# KiCad board Smart LED WS2812B Ring7.kicad_pcb (continued)
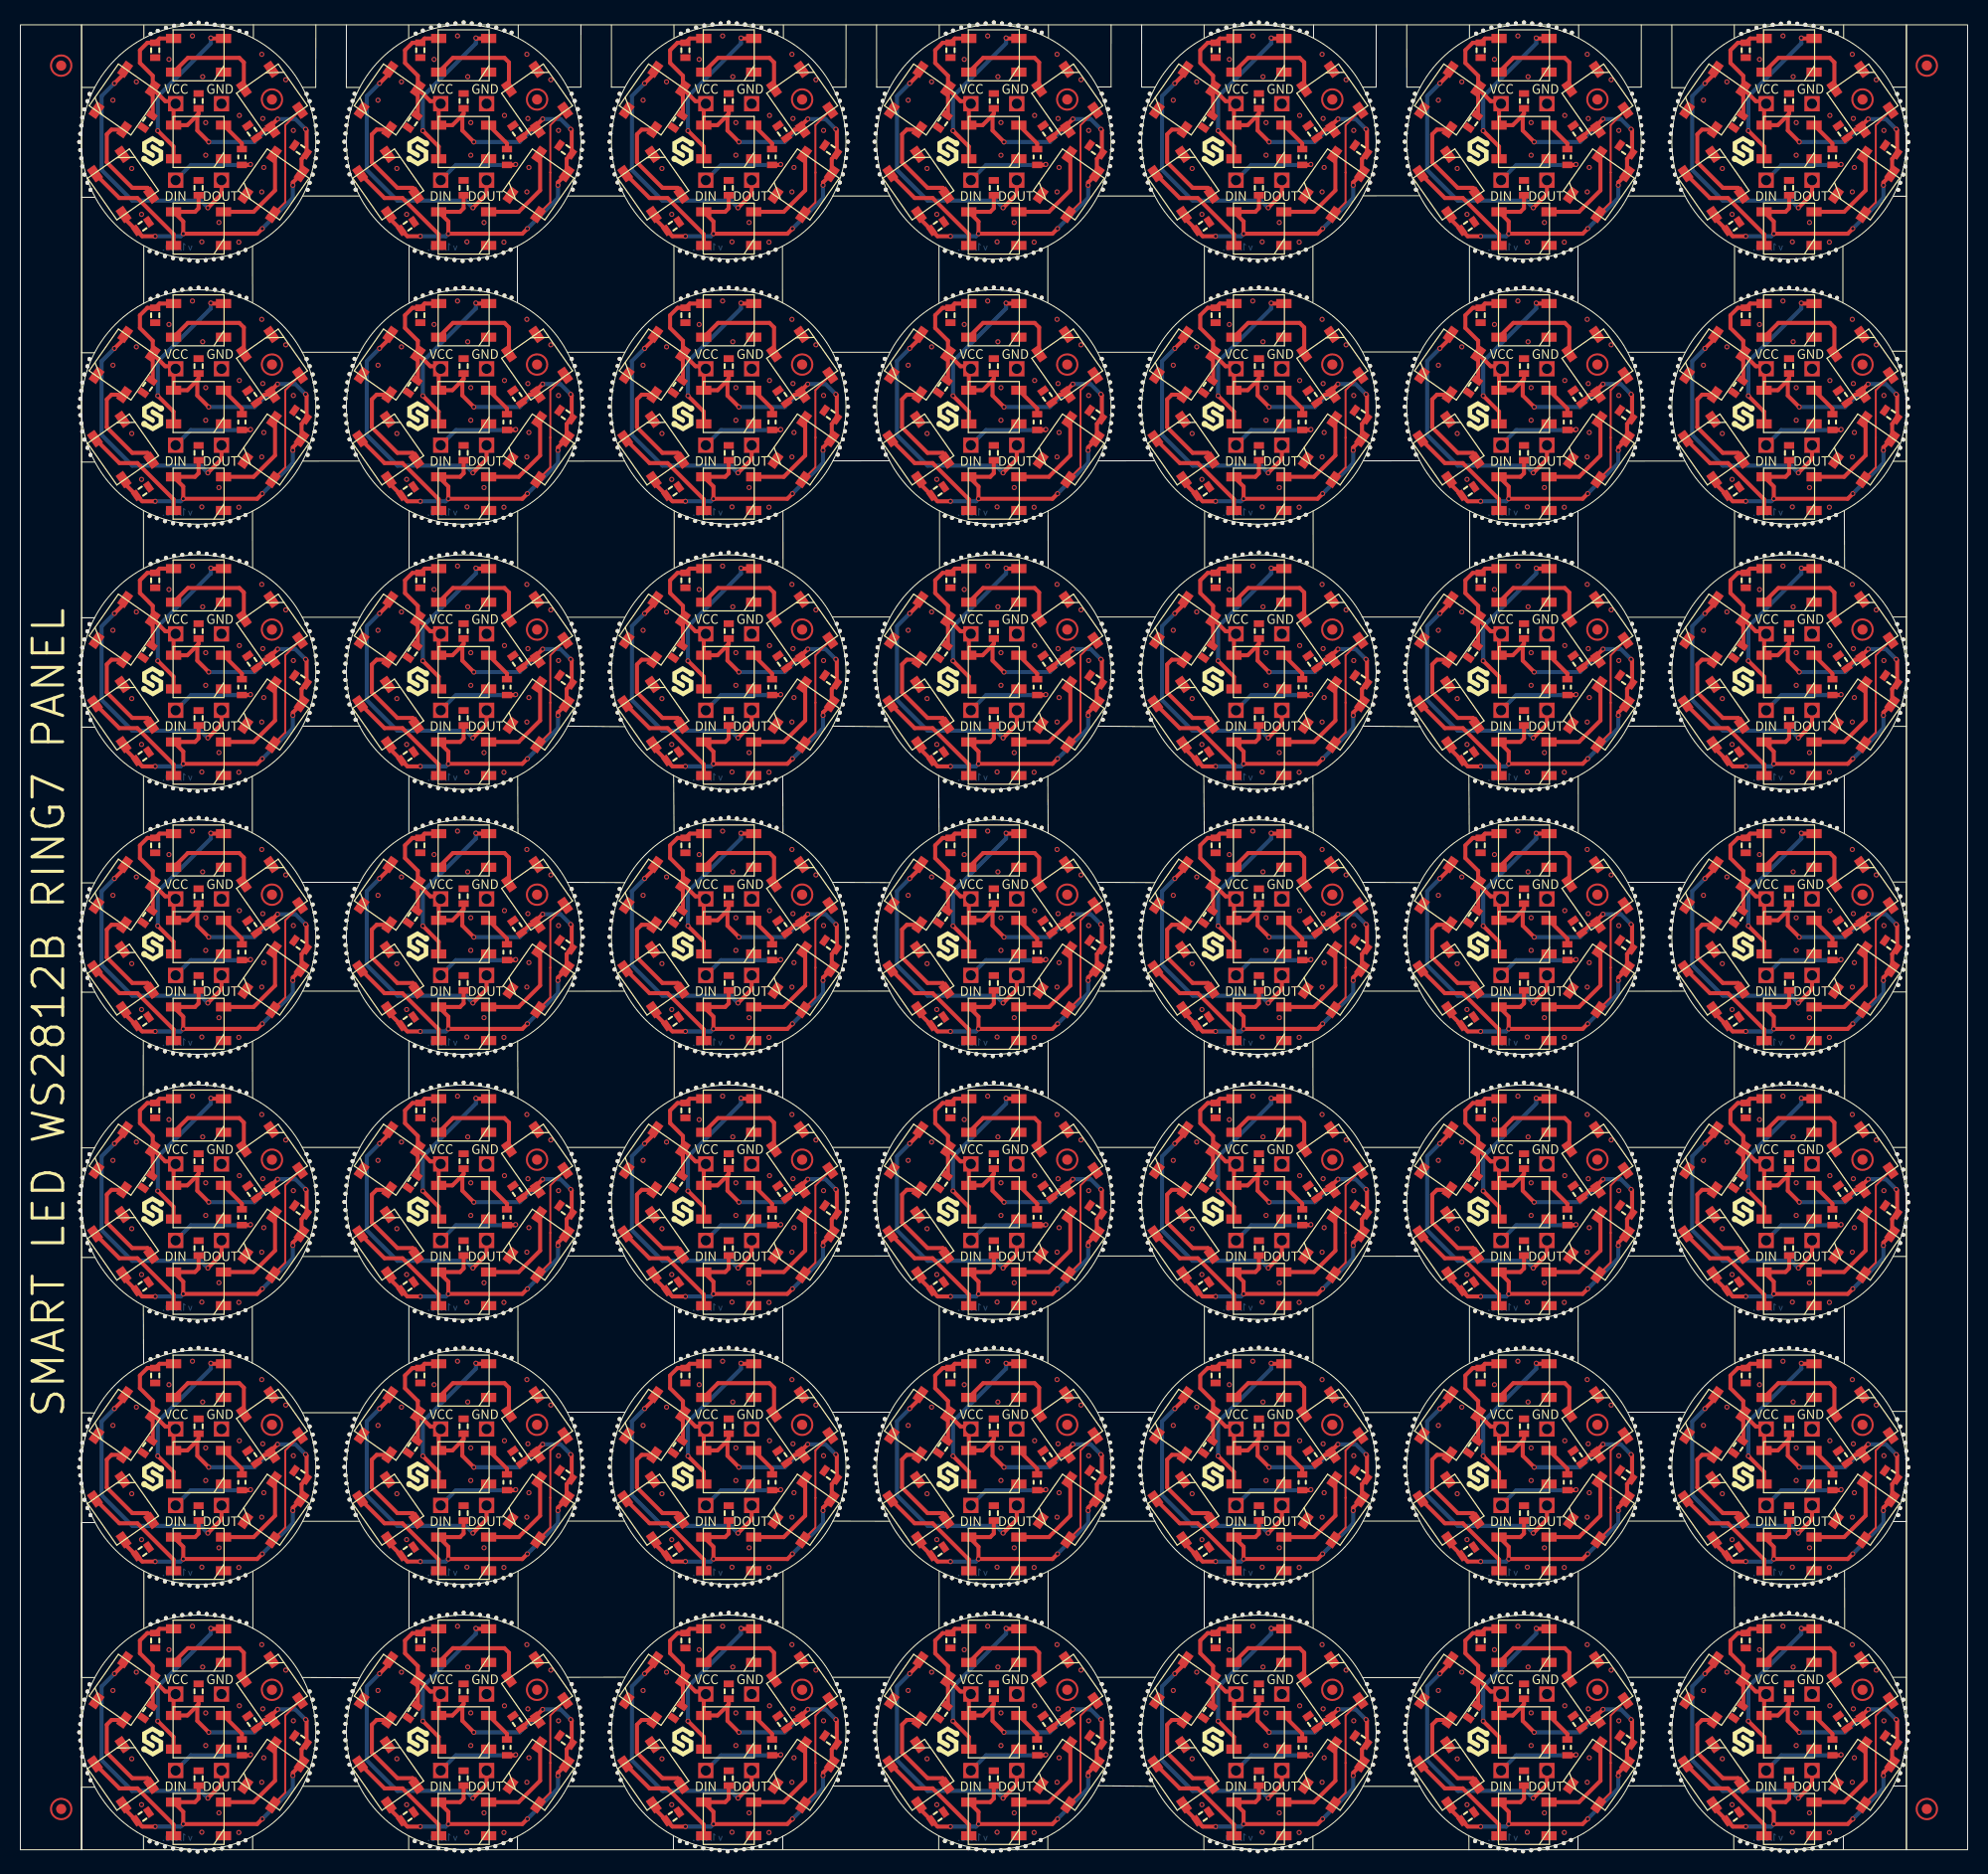
[diagram p0: board, top side]
## Routing (per net, layer and track width the routed paths; a pad name or vN(x,y) marks a point on that pad's centre or on a via; arc(x,y) is an arc through that point) (continued)
Net-(LED7-Pad2): length 1263.5
  Top w0.4: v1(113.22,69.28) 114.28,70.34 LED7#42.2 ; v1(148.38,109.07) 149.72,110.41 149.72,111.53 ; v1(61.22,69.28) 62.28,70.34 LED7#35.2 ; v1(87.22,173.28) 88.28,174.34 LED7#4.2 ; v1(148.38,5.07) 149.72,6.41 149.72,7.53 ; v1(139.22,43.28) 140.28,44.34 LED7#12.2 ; v1(70.38,109.07) 71.72,110.41 71.72,111.53 ; 175.72,111.53 175.72,110.41 v1(174.38,109.07) ; v1(35.22,121.28) 36.28,122.34 LED7#16.2 ; 19.72,33.53 19.72,32.41 v1(18.39,31.07) ; v1(113.22,173.28) 114.28,174.34 LED7.2 ; v1(174.38,5.07) 175.72,6.41 175.72,7.53 ; LED7#3.2 140.28,70.34 v1(139.22,69.28) ; LED7#43.2 114.28,44.34 v1(113.22,43.28) ; 71.72,85.53 71.72,84.41 v1(70.38,83.07) ; 175.72,33.53 175.72,32.41 v1(174.38,31.07) ; v1(174.38,83.07) 175.72,84.41 175.72,85.53 ; v1(139.22,17.28) 140.28,18.34 LED7#21.2 ; 97.72,85.53 97.72,84.41 v1(96.38,83.07) ; 19.72,137.53 19.72,136.41 v1(18.39,135.07) ; LED7#14.2 140.28,122.34 v1(139.22,121.28) ; LED7#23.2 114.28,148.34 v1(113.22,147.28) ; 123.72,7.53 123.72,6.41 v1(122.38,5.07) ; 149.72,85.53 149.72,84.41 v1(148.38,83.07) ; 45.72,7.53 45.72,6.41 v1(44.39,5.07) ; v1(96.38,161.07) 97.72,162.41 97.72,163.53 ; v1(35.22,43.28) 36.28,44.34 LED7#46.2 ; 19.72,163.53 19.72,162.41 v1(18.39,161.07) ; v1(165.22,69.28) 166.28,70.34 LED7#34.2 ; 71.72,163.53 71.72,162.41 v1(70.38,161.07) ; v1(70.38,5.07) 71.72,6.41 71.72,7.53 ; 19.72,59.53 19.72,58.41 v1(18.39,57.07) ; LED7#33.2 114.28,18.34 v1(113.22,17.28) ; LED7#27.2 88.28,96.34 v1(87.22,95.28) ; LED7#48.2 36.28,148.34 v1(35.22,147.28) ; LED7#13.2 62.28,18.34 v1(61.22,17.28) ; LED7#25.2 10.28,96.34 v1(9.22,95.28) ; v1(148.38,135.07) 149.72,136.41 149.72,137.53 ; 45.72,137.53 45.72,136.41 v1(44.39,135.07) ; 175.72,163.53 175.72,162.41 v1(174.38,161.07) ; 97.72,7.53 97.72,6.41 v1(96.38,5.07) ; v1(96.38,31.07) 97.72,32.41 97.72,33.53 ; LED7#6.2 10.28,122.34 v1(9.22,121.28) ; LED7#8.2 88.28,148.34 v1(87.22,147.28) ; LED7#20.2 114.28,96.34 v1(113.22,95.28) ; LED7#5.2 88.28,18.34 v1(87.22,17.28) ; LED7#17.2 10.28,148.34 v1(9.22,147.28) ; LED7#9.2 88.28,70.34 v1(87.22,69.28) ; 71.72,59.53 71.72,58.41 v1(70.38,57.07) ; v1(35.22,69.28) 36.28,70.34 LED7#41.2 ; 123.72,59.53 123.72,58.41 v1(122.38,57.07) ; v1(96.38,57.07) 97.72,58.41 97.72,59.53 ; v1(61.22,43.28) 62.28,44.34 LED7#40.2 ; LED7#18.2 166.28,18.34 v1(165.22,17.28) ; LED7#2.2 166.28,44.34 v1(165.22,43.28) ; v1(61.22,173.28) 62.28,174.34 LED7#32.2 ; v1(18.39,83.07) 19.72,84.41 19.72,85.53 ; 97.72,111.53 97.72,110.41 v1(96.38,109.07) ; v1(165.22,147.28) 166.28,148.34 LED7#7.2 ; LED7#36.2 10.28,44.34 v1(9.22,43.28) ; LED7#26.2 62.28,96.34 v1(61.22,95.28) ; LED7#45.2 36.28,96.34 v1(35.22,95.28) ; v1(139.22,173.28) 140.28,174.34 LED7#15.2 ; v1(9.22,173.28) 10.28,174.34 LED7#19.2 ; 123.72,163.53 123.72,162.41 v1(122.38,161.07) ; v1(87.22,121.28) 88.28,122.34 LED7#29.2 ; v1(174.38,57.07) 175.72,58.41 175.72,59.53 ; v1(122.38,31.07) 123.72,32.41 123.72,33.53 ; 19.72,7.53 19.72,6.41 v1(18.39,5.07) ; v1(44.39,83.07) 45.72,84.41 45.72,85.53 ; v1(148.38,57.07) 149.72,58.41 149.72,59.53 ; LED7#10.2 10.28,18.34 v1(9.22,17.28) ; LED7#49.2 166.28,174.34 v1(165.22,173.28) ; LED7#37.2 114.28,122.34 v1(113.22,121.28) ; 149.72,33.53 149.72,32.41 v1(148.38,31.07) ; 45.72,59.53 45.72,58.41 v1(44.39,57.07) ; v1(70.38,135.07) 71.72,136.41 71.72,137.53 ; 123.72,85.53 123.72,84.41 v1(122.38,83.07) ; 45.72,111.53 45.72,110.41 v1(44.39,109.07) ; LED7#47.2 36.28,174.34 v1(35.22,173.28) ; v1(122.38,109.07) 123.72,110.41 123.72,111.53 ; v1(139.22,95.28) 140.28,96.34 LED7#28.2 ; 175.72,137.53 175.72,136.41 v1(174.38,135.07) ; v1(148.38,161.07) 149.72,162.41 149.72,163.53 ; LED7#22.2 36.28,18.34 v1(35.22,17.28) ; 97.72,137.53 97.72,136.41 v1(96.38,135.07) ; v1(87.22,43.28) 88.28,44.34 LED7#44.2 ; v1(165.22,95.28) 166.28,96.34 LED7#24.2 ; v1(122.38,135.07) 123.72,136.41 123.72,137.53 ; LED7#30.2 140.28,148.34 v1(139.22,147.28) ; 45.72,163.53 45.72,162.41 v1(44.39,161.07) ; v1(18.39,109.07) 19.72,110.41 19.72,111.53 ; LED7#31.2 62.28,122.34 v1(61.22,121.28) ; LED7#39.2 62.28,148.34 v1(61.22,147.28) ; v1(9.22,69.28) 10.28,70.34 LED7#38.2 ; LED7#11.2 166.28,122.34 v1(165.22,121.28) ; 45.72,33.53 45.72,32.41 v1(44.39,31.07) ; v1(70.38,31.07) 71.72,32.41 71.72,33.53
  Bottom w0.4: v1(113.22,173.28) 111.97,172.03 111.97,164.78 114.97,161.78 121.68,161.78 v1(122.38,161.07) ; v1(9.22,17.28) 7.97,16.03 7.97,8.78 10.97,5.78 17.67,5.78 v1(18.39,5.07) ; v1(87.22,69.28) 85.97,68.03 85.97,60.78 88.97,57.78 95.68,57.78 v1(96.38,57.07) ; v1(113.22,147.28) 111.97,146.03 111.97,138.78 114.97,135.78 121.68,135.78 v1(122.38,135.07) ; v1(113.22,69.28) 111.97,68.03 111.97,60.78 114.97,57.78 121.68,57.78 v1(122.38,57.07) ; v1(165.22,173.28) 163.97,172.03 163.97,164.78 166.97,161.78 173.68,161.78 v1(174.38,161.07) ; v1(44.39,161.07) 43.67,161.78 36.97,161.78 33.97,164.78 33.97,172.03 v1(35.22,173.28) ; v1(165.22,147.28) 163.97,146.03 163.97,138.78 166.97,135.78 173.68,135.78 v1(174.38,135.07) ; v1(148.38,83.07) 147.68,83.78 140.97,83.78 137.97,86.78 137.97,94.03 v1(139.22,95.28) ; v1(70.38,161.07) 69.68,161.78 62.97,161.78 59.97,164.78 59.97,172.03 v1(61.22,173.28) ; v1(96.38,5.07) 95.68,5.78 88.97,5.78 85.97,8.78 85.97,16.03 v1(87.22,17.28) ; v1(9.22,95.28) 7.97,94.03 7.97,86.78 10.97,83.78 17.67,83.78 v1(18.39,83.07) ; v1(113.22,17.28) 111.97,16.03 111.97,8.78 114.97,5.78 121.68,5.78 v1(122.38,5.07) ; v1(139.22,17.28) 137.97,16.03 137.97,8.78 140.97,5.78 147.68,5.78 v1(148.38,5.07) ; v1(165.22,17.28) 163.97,16.03 163.97,8.78 166.97,5.78 173.68,5.78 v1(174.38,5.07) ; v1(174.38,109.07) 173.68,109.78 166.97,109.78 163.97,112.78 163.97,120.03 v1(165.22,121.28) ; v1(87.22,95.28) 85.97,94.03 85.97,86.78 88.97,83.78 95.68,83.78 v1(96.38,83.07) ; v1(122.38,31.07) 121.68,31.78 114.97,31.78 111.97,34.78 111.97,42.03 v1(113.22,43.28) ; v1(61.22,69.28) 59.97,68.03 59.97,60.78 62.97,57.78 69.68,57.78 v1(70.38,57.07) ; v1(113.22,95.28) 111.97,94.03 111.97,86.78 114.97,83.78 121.68,83.78 v1(122.38,83.07) ; v1(70.38,135.07) 69.68,135.78 62.97,135.78 59.97,138.78 59.97,146.03 v1(61.22,147.28) ; v1(174.38,31.07) 173.68,31.78 166.97,31.78 163.97,34.78 163.97,42.03 v1(165.22,43.28) ; v1(18.39,31.07) 17.67,31.78 10.97,31.78 7.97,34.78 7.97,42.03 v1(9.22,43.28) ; v1(148.38,31.07) 147.68,31.78 140.97,31.78 137.97,34.78 137.97,42.03 v1(139.22,43.28) ; v1(44.39,83.07) 43.67,83.78 36.97,83.78 33.97,86.78 33.97,94.03 v1(35.22,95.28) ; v1(70.38,31.07) 69.68,31.78 62.97,31.78 59.97,34.78 59.97,42.03 v1(61.22,43.28) ; v1(44.39,5.07) 43.67,5.78 36.97,5.78 33.97,8.78 33.97,16.03 v1(35.22,17.28) ; v1(165.22,95.28) 163.97,94.03 163.97,86.78 166.97,83.78 173.68,83.78 v1(174.38,83.07) ; v1(139.22,173.28) 137.97,172.03 137.97,164.78 140.97,161.78 147.68,161.78 v1(148.38,161.07) ; v1(9.22,173.28) 7.97,172.03 7.97,164.78 10.97,161.78 17.67,161.78 v1(18.39,161.07) ; v1(61.22,95.28) 59.97,94.03 59.97,86.78 62.97,83.78 69.68,83.78 v1(70.38,83.07) ; v1(87.22,173.28) 85.97,172.03 85.97,164.78 88.97,161.78 95.68,161.78 v1(96.38,161.07) ; v1(87.22,43.28) 85.97,42.03 85.97,34.78 88.97,31.78 95.68,31.78 v1(96.38,31.07) ; v1(148.38,109.07) 147.68,109.78 140.97,109.78 137.97,112.78 137.97,120.03 v1(139.22,121.28) ; v1(148.38,135.07) 147.68,135.78 140.97,135.78 137.97,138.78 137.97,146.03 v1(139.22,147.28) ; v1(70.38,5.07) 69.68,5.78 62.97,5.78 59.97,8.78 59.97,16.03 v1(61.22,17.28) ; v1(35.22,69.28) 33.97,68.03 33.97,60.78 36.97,57.78 43.67,57.78 v1(44.39,57.07) ; v1(165.22,69.28) 163.97,68.03 163.97,60.78 166.97,57.78 173.68,57.78 v1(174.38,57.07) ; v1(18.39,109.07) 17.67,109.78 10.97,109.78 7.97,112.78 7.97,120.03 v1(9.22,121.28) ; v1(18.39,135.07) 17.67,135.78 10.97,135.78 7.97,138.78 7.97,146.03 v1(9.22,147.28) ; v1(122.38,109.07) 121.68,109.78 114.97,109.78 111.97,112.78 111.97,120.03 v1(113.22,121.28) ; v1(35.22,43.28) 33.97,42.03 33.97,34.78 36.97,31.78 43.67,31.78 v1(44.39,31.07) ; v1(44.39,135.07) 43.67,135.78 36.97,135.78 33.97,138.78 33.97,146.03 v1(35.22,147.28) ; v1(35.22,121.28) 33.97,120.03 33.97,112.78 36.97,109.78 43.67,109.78 v1(44.39,109.07) ; v1(87.22,147.28) 85.97,146.03 85.97,138.78 88.97,135.78 95.68,135.78 v1(96.38,135.07) ; v1(61.22,121.28) 59.97,120.03 59.97,112.78 62.97,109.78 69.68,109.78 v1(70.38,109.07) ; v1(139.22,69.28) 137.97,68.03 137.97,60.78 140.97,57.78 147.68,57.78 v1(148.38,57.07) ; v1(87.22,121.28) 85.97,120.03 85.97,112.78 88.97,109.78 95.68,109.78 v1(96.38,109.07) ; v1(18.39,57.07) 17.67,57.78 10.97,57.78 7.97,60.78 7.97,68.03 v1(9.22,69.28)
  vias: v2(19.72,163.78) v2(19.72,137.78) v2(19.72,111.78) v2(19.72,85.78) v2(19.72,59.78) v2(19.72,33.78) v2(19.72,7.78) v2(45.72,163.78) v2(45.72,137.78) v2(45.72,111.78) v2(45.72,85.78) v2(45.72,59.78) v2(45.72,33.78) v2(45.72,7.78) v2(71.72,163.78) v2(71.72,137.78) v2(71.72,111.78) v2(71.72,85.78) v2(71.72,59.78) v2(71.72,33.78) v2(71.72,7.78) v2(97.72,163.78) v2(97.72,137.78) v2(97.72,111.78) v2(97.72,85.78) v2(97.72,59.78) v2(97.72,33.78) v2(97.72,7.78) v2(123.72,163.78) v2(123.72,137.78) v2(123.72,111.78) v2(123.72,85.78) v2(123.72,59.78) v2(123.72,33.78) v2(123.72,7.78) v2(149.72,163.78) v2(149.72,137.78) v2(149.72,111.78) v2(149.72,85.78) v2(149.72,59.78) v2(149.72,33.78) v2(149.72,7.78) v2(175.72,163.78) v2(175.72,137.78) v2(175.72,111.78) v2(175.72,85.78) v2(175.72,59.78) v2(175.72,33.78) v2(175.72,7.78)
Net-(PAD2-Pad1): length 434.3
  Top w0.4: R1#48.2 22.53,35.28 v1(22.58,35.33) ; R1#16.2 152.53,9.28 v1(152.57,9.33) ; v1(126.57,165.33) 126.53,165.28 125.72,165.28 ; v1(48.58,9.33) 48.53,9.28 R1#6.2 ; R1#10.2 126.53,9.28 v1(126.57,9.33) ; R1#19.2 74.53,87.28 v1(74.57,87.33) ; v1(48.58,165.33) 48.53,165.28 47.72,165.28 ; v1(48.58,87.33) 48.53,87.28 R1#33.2 ; R1#30.2 152.53,61.28 v1(152.57,61.33) ; v1(100.57,113.33) 100.53,113.28 R1#23.2 ; v1(100.57,35.33) 100.53,35.28 R1#47.2 ; 177.72,165.28 178.53,165.28 v1(178.57,165.33) ; v1(74.57,165.33) 74.53,165.28 73.72,165.28 ; v1(22.58,165.33) 22.53,165.28 21.72,165.28 ; R1#46.2 178.53,35.28 v1(178.57,35.33) ; v1(22.58,139.33) 22.53,139.28 21.72,139.28 ; R1#20.2 126.53,61.28 v1(126.57,61.33) ; v1(178.57,61.33) 178.53,61.28 R1#39.2 ; 177.72,139.28 178.53,139.28 v1(178.57,139.33) ; v1(100.57,87.33) 100.53,87.28 R1#21.2 ; v1(152.57,113.33) 152.53,113.28 R1#2.2 ; R1#5.2 22.53,61.28 v1(22.58,61.33) ; v1(178.57,9.33) 178.53,9.28 R1#26.2 ; R1#24.2 22.53,87.28 v1(22.58,87.33) ; v1(126.57,35.33) 126.53,35.28 R1#49.2 ; v1(152.57,139.33) 152.53,139.28 151.72,139.28 ; R1#3.2 152.53,35.28 v1(152.57,35.33) ; R1#28.2 100.53,9.28 v1(100.57,9.33) ; v1(48.58,139.33) 48.53,139.28 47.72,139.28 ; v1(48.58,35.33) 48.53,35.28 R1#17.2 ; R1#32.2 126.53,87.28 v1(126.57,87.33) ; R1.2 178.53,87.28 v1(178.57,87.33) ; v1(100.57,165.33) 100.53,165.28 99.72,165.28 ; v1(48.58,113.33) 48.53,113.28 R1#44.2 ; R1#22.2 22.53,9.28 v1(22.58,9.33) ; 73.72,139.28 74.53,139.28 v1(74.57,139.33) ; R1#43.2 74.53,113.28 v1(74.57,113.33) ; v1(74.57,61.33) 74.53,61.28 R1#38.2 ; R1#18.2 100.53,61.28 v1(100.57,61.33) ; v1(152.57,165.33) 152.53,165.28 151.72,165.28 ; v1(74.57,9.33) 74.53,9.28 R1#25.2 ; R1#15.2 48.53,61.28 v1(48.58,61.33) ; v1(178.57,113.33) 178.53,113.28 R1#14.2 ; v1(126.57,139.33) 126.53,139.28 125.72,139.28 ; R1#9.2 126.53,113.28 v1(126.57,113.33) ; R1#36.2 22.53,113.28 v1(22.58,113.33) ; R1#34.2 152.53,87.28 v1(152.57,87.33) ; 99.72,139.28 100.53,139.28 v1(100.57,139.33) ; v1(74.57,35.33) 74.53,35.28 R1#40.2
  Bottom w0.4: v1(22.58,113.33) 22.52,113.28 16.72,113.28 v2(15.22,111.78) ; v1(48.58,61.33) 48.52,61.28 42.72,61.28 v2(41.22,59.78) ; v2(41.22,33.78) 42.72,35.28 48.52,35.28 v1(48.58,35.33) ; v2(145.22,111.78) 146.72,113.28 152.52,113.28 v1(152.57,113.33) ; v2(93.22,163.78) 94.72,165.28 100.52,165.28 v1(100.57,165.33) ; v2(119.22,59.78) 120.72,61.28 126.52,61.28 v1(126.57,61.33) ; v1(48.58,165.33) 48.52,165.28 42.72,165.28 v2(41.22,163.78) ; v2(41.22,85.78) 42.72,87.28 48.52,87.28 v1(48.58,87.33) ; v1(22.58,139.33) 22.52,139.28 16.72,139.28 v2(15.22,137.78) ; v2(145.22,7.78) 146.72,9.28 152.52,9.28 v1(152.57,9.33) ; v1(22.58,9.33) 22.52,9.28 16.72,9.28 v2(15.22,7.78) ; v2(67.22,59.78) 68.72,61.28 74.52,61.28 v1(74.57,61.33) ; v1(126.57,35.33) 126.52,35.28 120.72,35.28 v2(119.22,33.78) ; v1(178.57,35.33) 178.52,35.28 172.72,35.28 v2(171.22,33.78) ; v2(15.22,163.78) 16.72,165.28 22.52,165.28 v1(22.58,165.33) ; v2(119.22,137.78) 120.72,139.28 126.52,139.28 v1(126.57,139.33) ; v1(48.58,113.33) 48.52,113.28 42.72,113.28 v2(41.22,111.78) ; v2(67.22,85.78) 68.72,87.28 74.52,87.28 v1(74.57,87.33) ; v2(15.22,33.78) 16.72,35.28 22.52,35.28 v1(22.58,35.33) ; v1(178.57,139.33) 178.52,139.28 172.72,139.28 v2(171.22,137.78) ; v1(152.57,61.33) 152.52,61.28 146.72,61.28 v2(145.22,59.78) ; v2(93.22,33.78) 94.72,35.28 100.52,35.28 v1(100.57,35.33) ; v2(145.22,85.78) 146.72,87.28 152.52,87.28 v1(152.57,87.33) ; v2(119.22,7.78) 120.72,9.28 126.52,9.28 v1(126.57,9.33) ; v2(145.22,33.78) 146.72,35.28 152.52,35.28 v1(152.57,35.33) ; v2(171.22,59.78) 172.72,61.28 178.52,61.28 v1(178.57,61.33) ; v2(41.22,7.78) 42.72,9.28 48.52,9.28 v1(48.58,9.33) ; v2(145.22,163.78) 146.72,165.28 152.52,165.28 v1(152.57,165.33) ; v1(178.57,9.33) 178.52,9.28 172.72,9.28 v2(171.22,7.78) ; v1(22.58,87.33) 22.52,87.28 16.72,87.28 v2(15.22,85.78) ; v1(178.57,87.33) 178.52,87.28 172.72,87.28 v2(171.22,85.78) ; v2(15.22,59.78) 16.72,61.28 22.52,61.28 v1(22.58,61.33) ; v1(100.57,61.33) 100.52,61.28 94.72,61.28 v2(93.22,59.78) ; v2(145.22,137.78) 146.72,139.28 152.52,139.28 v1(152.57,139.33) ; v2(171.22,111.78) 172.72,113.28 178.52,113.28 v1(178.57,113.33) ; v2(93.22,7.78) 94.72,9.28 100.52,9.28 v1(100.57,9.33) ; v2(93.22,111.78) 94.72,113.28 100.52,113.28 v1(100.57,113.33) ; v1(74.57,9.33) 74.52,9.28 68.72,9.28 v2(67.22,7.78) ; v1(126.57,165.33) 126.52,165.28 120.72,165.28 v2(119.22,163.78) ; v1(126.57,87.33) 126.52,87.28 120.72,87.28 v2(119.22,85.78) ; v1(178.57,165.33) 178.52,165.28 172.72,165.28 v2(171.22,163.78) ; v1(74.57,139.33) 74.52,139.28 68.72,139.28 v2(67.22,137.78) ; v1(74.57,35.33) 74.52,35.28 68.72,35.28 v2(67.22,33.78) ; v1(100.57,87.33) 100.52,87.28 94.72,87.28 v2(93.22,85.78) ; v2(41.22,137.78) 42.72,139.28 48.52,139.28 v1(48.58,139.33) ; v2(67.22,111.78) 68.72,113.28 74.52,113.28 v1(74.57,113.33) ; v1(74.57,165.33) 74.52,165.28 68.72,165.28 v2(67.22,163.78) ; v2(93.22,137.78) 94.72,139.28 100.52,139.28 v1(100.57,139.33) ; v1(126.57,113.33) 126.52,113.28 120.72,113.28 v2(119.22,111.78)

## Copper pours and planes (outline as drawn; the poured copper is in the pictures)
GND on Top: 106.97,130.03 83.97,130.03 83.97,153.03 106.97,153.03
GND on Top: 132.97,26.03 109.97,26.03 109.97,49.03 132.97,49.03
GND on Top: 80.97,0.03 57.97,0.03 57.97,23.03 80.97,23.03
GND on Top: 132.97,78.03 109.97,78.03 109.97,101.03 132.97,101.03
GND on Top: 80.97,52.03 57.97,52.03 57.97,75.03 80.97,75.03
GND on Top: 132.97,104.03 109.97,104.03 109.97,127.03 132.97,127.03
GND on Top: 28.97,0.03 5.97,0.03 5.97,23.03 28.97,23.03
GND on Top: 132.97,0.03 109.97,0.03 109.97,23.03 132.97,23.03
GND on Top: 54.97,130.03 31.97,130.03 31.97,153.03 54.97,153.03
GND on Top: 80.97,104.03 57.97,104.03 57.97,127.03 80.97,127.03
GND on Top: 54.97,26.03 31.97,26.03 31.97,49.03 54.97,49.03
GND on Top: 184.97,156.03 161.97,156.03 161.97,179.03 184.97,179.03
GND on Top: 54.97,156.03 31.97,156.03 31.97,179.03 54.97,179.03
GND on Top: 158.97,26.03 135.97,26.03 135.97,49.03 158.97,49.03
GND on Top: 54.97,78.03 31.97,78.03 31.97,101.03 54.97,101.03
GND on Top: 28.97,130.03 5.97,130.03 5.97,153.03 28.97,153.03
GND on Top: 132.97,130.03 109.97,130.03 109.97,153.03 132.97,153.03
GND on Top: 106.97,78.03 83.97,78.03 83.97,101.03 106.97,101.03
GND on Top: 54.97,52.03 31.97,52.03 31.97,75.03 54.97,75.03
GND on Top: 184.97,78.03 161.97,78.03 161.97,101.03 184.97,101.03
GND on Top: 28.97,78.03 5.97,78.03 5.97,101.03 28.97,101.03
GND on Top: 184.97,0.03 161.97,0.03 161.97,23.03 184.97,23.03
GND on Top: 184.97,26.03 161.97,26.03 161.97,49.03 184.97,49.03
GND on Top: 28.97,26.03 5.97,26.03 5.97,49.03 28.97,49.03
GND on Top: 184.97,104.03 161.97,104.03 161.97,127.03 184.97,127.03
GND on Top: 80.97,26.03 57.97,26.03 57.97,49.03 80.97,49.03
GND on Top: 132.97,156.03 109.97,156.03 109.97,179.03 132.97,179.03
GND on Top: 106.97,0.03 83.97,0.03 83.97,23.03 106.97,23.03
GND on Top: 158.97,0.03 135.97,0.03 135.97,23.03 158.97,23.03
GND on Top: 80.97,78.03 57.97,78.03 57.97,101.03 80.97,101.03
GND on Top: 184.97,130.03 161.97,130.03 161.97,153.03 184.97,153.03
GND on Top: 80.97,156.03 57.97,156.03 57.97,179.03 80.97,179.03
GND on Top: 28.97,156.03 5.97,156.03 5.97,179.03 28.97,179.03
GND on Top: 106.97,156.03 83.97,156.03 83.97,179.03 106.97,179.03
GND on Top: 106.97,26.03 83.97,26.03 83.97,49.03 106.97,49.03
GND on Top: 184.97,52.03 161.97,52.03 161.97,75.03 184.97,75.03
GND on Top: 106.97,104.03 83.97,104.03 83.97,127.03 106.97,127.03
GND on Top: 158.97,78.03 135.97,78.03 135.97,101.03 158.97,101.03
GND on Top: 158.97,52.03 135.97,52.03 135.97,75.03 158.97,75.03
GND on Top: 54.97,0.03 31.97,0.03 31.97,23.03 54.97,23.03
GND on Top: 158.97,130.03 135.97,130.03 135.97,153.03 158.97,153.03
GND on Top: 158.97,104.03 135.97,104.03 135.97,127.03 158.97,127.03
GND on Top: 106.97,52.03 83.97,52.03 83.97,75.03 106.97,75.03
GND on Top: 80.97,130.03 57.97,130.03 57.97,153.03 80.97,153.03
GND on Top: 132.97,52.03 109.97,52.03 109.97,75.03 132.97,75.03
GND on Top: 28.97,52.03 5.97,52.03 5.97,75.03 28.97,75.03
GND on Top: 54.97,104.03 31.97,104.03 31.97,127.03 54.97,127.03
GND on Top: 158.97,156.03 135.97,156.03 135.97,179.03 158.97,179.03
GND on Top: 28.97,104.03 5.97,104.03 5.97,127.03 28.97,127.03
GND on Bottom: 184.97,23.03 184.97,0.03 161.97,0.03 161.97,23.03
GND on Bottom: 132.97,23.03 132.97,0.03 109.97,0.03 109.97,23.03
GND on Bottom: 158.97,101.03 158.97,78.03 135.97,78.03 135.97,101.03
GND on Bottom: 28.97,179.03 28.97,156.03 5.97,156.03 5.97,179.03
GND on Bottom: 80.97,23.03 80.97,0.03 57.97,0.03 57.97,23.03
GND on Bottom: 132.97,75.03 132.97,52.03 109.97,52.03 109.97,75.03
GND on Bottom: 184.97,179.03 184.97,156.03 161.97,156.03 161.97,179.03
GND on Bottom: 28.97,23.03 28.97,0.03 5.97,0.03 5.97,23.03
GND on Bottom: 158.97,179.03 158.97,156.03 135.97,156.03 135.97,179.03
GND on Bottom: 106.97,179.03 106.97,156.03 83.97,156.03 83.97,179.03
GND on Bottom: 28.97,49.03 28.97,26.03 5.97,26.03 5.97,49.03
GND on Bottom: 80.97,127.03 80.97,104.03 57.97,104.03 57.97,127.03
GND on Bottom: 132.97,179.03 132.97,156.03 109.97,156.03 109.97,179.03
GND on Bottom: 132.97,49.03 132.97,26.03 109.97,26.03 109.97,49.03
GND on Bottom: 28.97,101.03 28.97,78.03 5.97,78.03 5.97,101.03
GND on Bottom: 158.97,49.03 158.97,26.03 135.97,26.03 135.97,49.03
GND on Bottom: 28.97,75.03 28.97,52.03 5.97,52.03 5.97,75.03
GND on Bottom: 80.97,75.03 80.97,52.03 57.97,52.03 57.97,75.03
GND on Bottom: 28.97,127.03 28.97,104.03 5.97,104.03 5.97,127.03
GND on Bottom: 132.97,153.03 132.97,130.03 109.97,130.03 109.97,153.03
GND on Bottom: 184.97,153.03 184.97,130.03 161.97,130.03 161.97,153.03
GND on Bottom: 54.97,153.03 54.97,130.03 31.97,130.03 31.97,153.03
GND on Bottom: 132.97,101.03 132.97,78.03 109.97,78.03 109.97,101.03
GND on Bottom: 28.97,153.03 28.97,130.03 5.97,130.03 5.97,153.03
GND on Bottom: 106.97,101.03 106.97,78.03 83.97,78.03 83.97,101.03
GND on Bottom: 106.97,49.03 106.97,26.03 83.97,26.03 83.97,49.03
GND on Bottom: 54.97,49.03 54.97,26.03 31.97,26.03 31.97,49.03
GND on Bottom: 80.97,153.03 80.97,130.03 57.97,130.03 57.97,153.03
GND on Bottom: 184.97,75.03 184.97,52.03 161.97,52.03 161.97,75.03
GND on Bottom: 184.97,101.03 184.97,78.03 161.97,78.03 161.97,101.03
GND on Bottom: 106.97,127.03 106.97,104.03 83.97,104.03 83.97,127.03
GND on Bottom: 54.97,179.03 54.97,156.03 31.97,156.03 31.97,179.03
GND on Bottom: 158.97,75.03 158.97,52.03 135.97,52.03 135.97,75.03
GND on Bottom: 80.97,49.03 80.97,26.03 57.97,26.03 57.97,49.03
GND on Bottom: 158.97,23.03 158.97,0.03 135.97,0.03 135.97,23.03
GND on Bottom: 184.97,127.03 184.97,104.03 161.97,104.03 161.97,127.03
GND on Bottom: 54.97,101.03 54.97,78.03 31.97,78.03 31.97,101.03
GND on Bottom: 106.97,23.03 106.97,0.03 83.97,0.03 83.97,23.03
GND on Bottom: 54.97,23.03 54.97,0.03 31.97,0.03 31.97,23.03
GND on Bottom: 132.97,127.03 132.97,104.03 109.97,104.03 109.97,127.03
GND on Bottom: 106.97,153.03 106.97,130.03 83.97,130.03 83.97,153.03
GND on Bottom: 54.97,127.03 54.97,104.03 31.97,104.03 31.97,127.03
GND on Bottom: 106.97,75.03 106.97,52.03 83.97,52.03 83.97,75.03
GND on Bottom: 158.97,127.03 158.97,104.03 135.97,104.03 135.97,127.03
GND on Bottom: 80.97,101.03 80.97,78.03 57.97,78.03 57.97,101.03
GND on Bottom: 54.97,75.03 54.97,52.03 31.97,52.03 31.97,75.03
GND on Bottom: 80.97,179.03 80.97,156.03 57.97,156.03 57.97,179.03
GND on Bottom: 184.97,49.03 184.97,26.03 161.97,26.03 161.97,49.03
GND on Bottom: 158.97,153.03 158.97,130.03 135.97,130.03 135.97,153.03

## Text on the board
F.Silkscreen: SMART LED WS2812B RING7 PANEL
CUT-OUT: CUTOUT
